# KiCad board Thermister Board - Panel.kicad_pcb (continued)
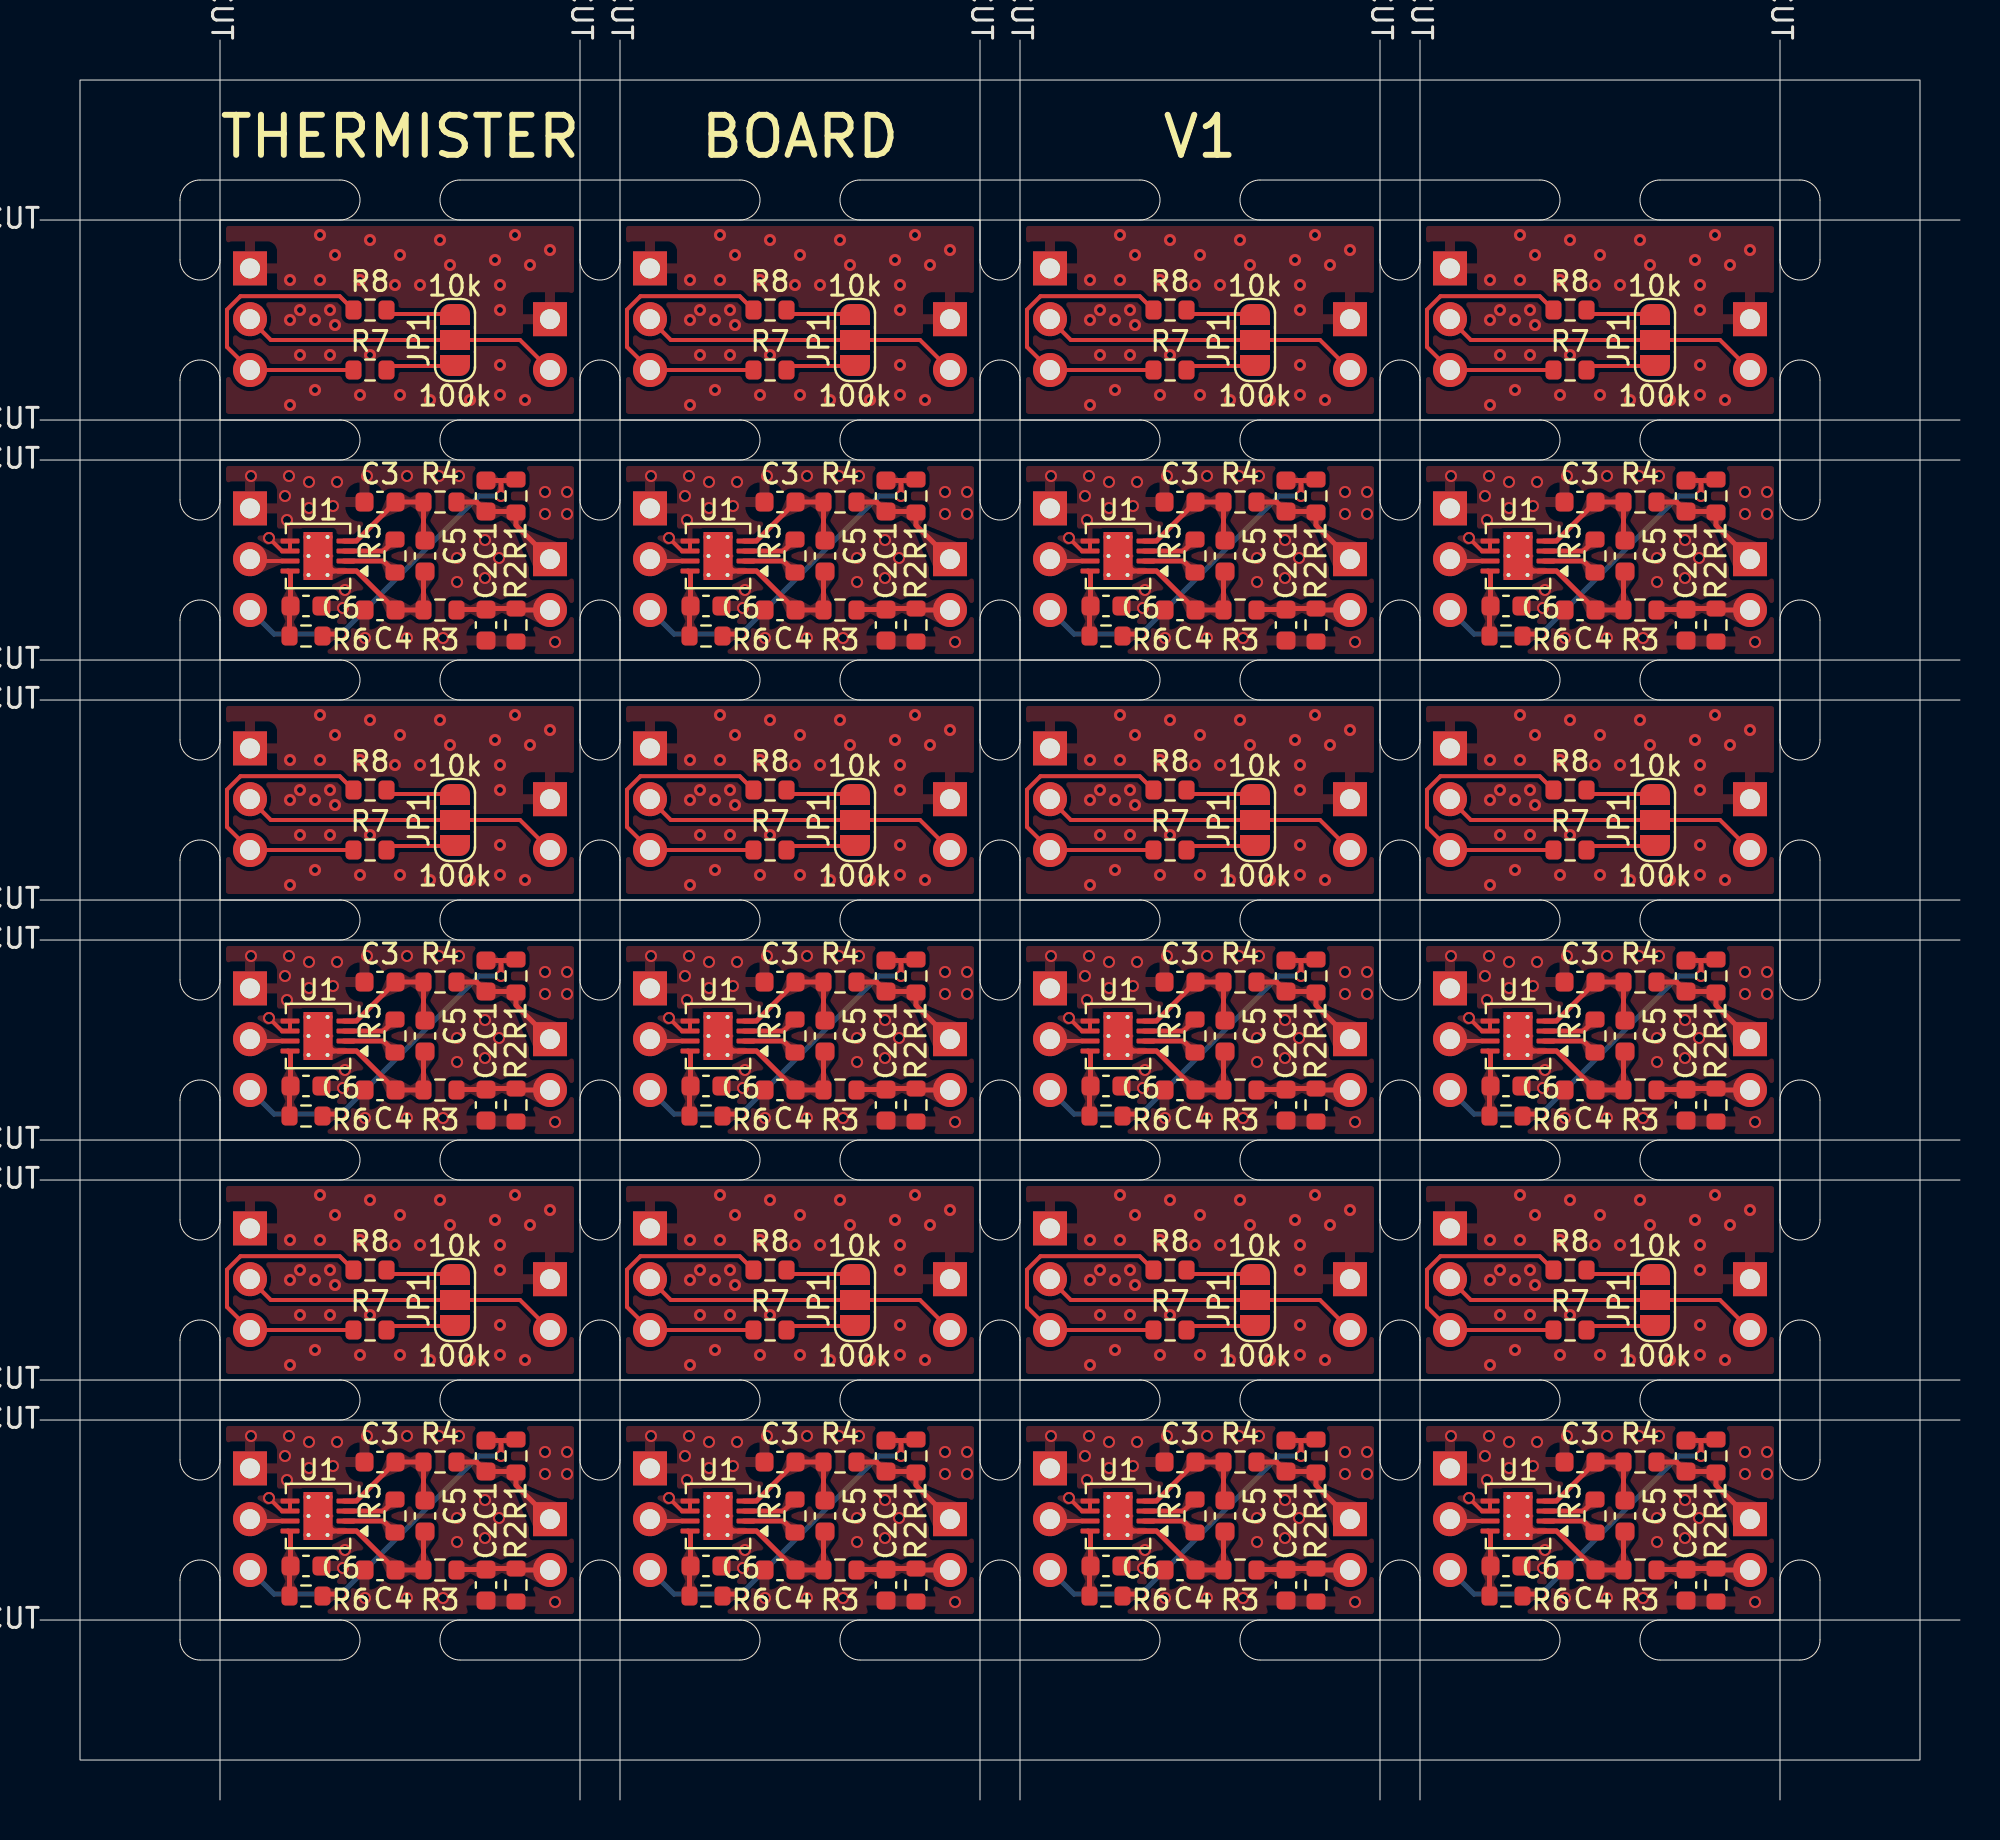
[diagram p0: board, top side]
## Library data of the parts
C1 C1#2-C1#5 C1#7-C1#12 C2 C2#2-C2#9 C2#11 C2#12 C3 C3#2 C3#3 C3#5-C3#12 C4 C4#2-C4#10 C4#12 C5 C5#2-C5#10 C5#12 C6#2-C6#12 = -: Description: Unpolarized capacitor
C1#6 C2#10 C3#4 C4#11 C5#11 C6 = -: Description: Unpolarized capacitor; ki_fp_filters: C_*
J1 J1#2-J1#8 J1#10-J1#12 J4 J4#2-J4#5 J4#7-J4#12 = -: Description: Generic connector, single row, 01x03, script generated (kicad-library-utils/schlib/autogen/connector/)
J1#9 J4#6 = -: Description: Generic connector, single row, 01x03, script generated (kicad-library-utils/schlib/autogen/connector/); ki_fp_filters: Connector*:*_1x??_*
J2 J2#2-J2#5 J2#7-J2#12 J3 J3#2-J3#9 J3#11 J3#12 = -: Description: Generic connector, single row, 01x02, script generated (kicad-library-utils/schlib/autogen/connector/)
J2#6 J3#10 = -: Description: Generic connector, single row, 01x02, script generated (kicad-library-utils/schlib/autogen/connector/); ki_fp_filters: Connector*:*_1x??_*
JP1 JP1#2 JP1#4-JP1#12 = -: Description: Solder Jumper, 3-pole, open
JP1#3 = -: Description: Solder Jumper, 3-pole, open; ki_fp_filters: SolderJumper*Open*
R1 R1#2-R1#8 R1#10-R1#12 R2 R2#2-R2#5 R2#7-R2#12 R3 R3#2 R3#3 R3#5-R3#12 R4 R4#2-R4#6 R4#8-R4#12 R5 R5#2-R5#4 R5#6-R5#12 R6 R6#2 R6#3 R6#5-R6#12 R7 R7#2-R7#6 R7#8-R7#12 R8 R8#3-R8#12 = -: Description: Resistor
R1#9 R2#6 R3#4 R4#7 R5#5 R6#4 R7#7 R8#2 = -: Description: Resistor; ki_fp_filters: R_*

## Footprints (pads in the part's own frame, mm; a bottom-side part is the same pattern mirrored in y, then rotated)
C_0603_1608Metric
  rrect 0.9x0.95 smd: 1(-0.775,0) 2(0.775,0)
PinHeader_1x02_P2.54mm_Vertical
  rect 1.7x1.7 hole 1: 1(0,0)
  round 1.7 hole 1: 2(0,-2.54)
PinHeader_1x03_P2.54mm_Vertical
  rect 1.7x1.7 hole 1: 1(0,0)
  round 1.7 hole 1: 2(0,-2.54) 3(0,-5.08)
R_0603_1608Metric
  rrect 0.8x0.95 smd: 1(-0.825,0) 2(0.825,0)
SolderJumper-3_P1.3mm_Open_RoundedPad1.0x1.5mm_NumberLabels
  custom 1.05x1.5 smd: 1(-1.3,0) 3(1.3,0)
  rect 1x1.5 smd: 2(0,0)
WSON-8-1EP_3x3mm_P0.5mm_EP1.45x2.4mm_ThermalVias
  rrect 1.26x1.04 smd: (0,0.6) (0,-0.6)
  rrect 0.95x0.25 smd: 1(-1.4,0.75) 2(-1.4,0.25) 3(-1.4,-0.25) 4(-1.4,-0.75) 5(1.4,-0.75) 6(1.4,-0.25) 7(1.4,0.25) 8(1.4,0.75)
  round 0.5 hole 0.2: 9(-0.475,0.95) 9(-0.475,0) 9(-0.475,-0.95) 9(0.475,0.95) 9(0.475,0) 9(0.475,-0.95)
  rect 1.45x2.4 smd: 9(0,0)
  rect 1.45x2.4 smd far side: 9(0,0)

## Nets
+3.3V: C1.1 C1#2.1 C1#3.1 C1#4.1 C1#5.1 C1#6.1 C1#7.1 C1#8.1 C1#9.1 C1#10.1 C1#11.1 C1#12.1 J1.3 J1#2.3 J1#3.3 J1#4.3 J1#5.3 J1#6.3 J1#7.3 J1#8.3 J1#9.3 J1#10.3 J1#11.3 J1#12.3 J4.3 J4#2.3 J4#3.3 J4#4.3 J4#5.3 J4#6.3 J4#7.3 J4#8.3 J4#9.3 J4#10.3 J4#11.3 J4#12.3 R1.1 R1#2.1 R1#3.1 R1#4.1 R1#5.1 R1#6.1 R1#7.1 R1#8.1 R1#9.1 R1#10.1 R1#11.1 R1#12.1 R6.1 R6#2.1 R6#3.1 R6#4.1 R6#5.1 R6#6.1 R6#7.1 R6#8.1 R6#9.1 R6#10.1 R6#11.1 R6#12.1 R7.1 R7#2.1 R7#3.1 R7#4.1 R7#5.1 R7#6.1 R7#7.1 R7#8.1 R7#9.1 R7#10.1 R7#11.1 R7#12.1 R8.1 R8#2.1 R8#3.1 R8#4.1 R8#5.1 R8#6.1 R8#7.1 R8#8.1 R8#9.1 R8#10.1 R8#11.1 R8#12.1
GND: C2.2 C2#2.2 C2#3.2 C2#4.2 C2#5.2 C2#6.2 C2#7.2 C2#8.2 C2#9.2 C2#10.2 C2#11.2 C2#12.2 C3.1 C3#2.1 C3#3.1 C3#4.1 C3#5.1 C3#6.1 C3#7.1 C3#8.1 C3#9.1 C3#10.1 C3#11.1 C3#12.1 C4.2 C4#2.2 C4#3.2 C4#4.2 C4#5.2 C4#6.2 C4#7.2 C4#8.2 C4#9.2 C4#10.2 C4#11.2 C4#12.2 C6.2 C6#2.2 C6#3.2 C6#4.2 C6#5.2 C6#6.2 C6#7.2 C6#8.2 C6#9.2 C6#10.2 C6#11.2 C6#12.2 J1.1 J1#2.1 J1#3.1 J1#4.1 J1#5.1 J1#6.1 J1#7.1 J1#8.1 J1#9.1 J1#10.1 J1#11.1 J1#12.1 J3.1 J3#2.1 J3#3.1 J3#4.1 J3#5.1 J3#6.1 J3#7.1 J3#8.1 J3#9.1 J3#10.1 J3#11.1 J3#12.1 J4.1 J4#2.1 J4#3.1 J4#4.1 J4#5.1 J4#6.1 J4#7.1 J4#8.1 J4#9.1 J4#10.1 J4#11.1 J4#12.1 R2.2 R2#2.2 R2#3.2 R2#4.2 R2#5.2 R2#6.2 R2#7.2 R2#8.2 R2#9.2 R2#10.2 R2#11.2 R2#12.2 U1.5 U1.6 U1#2.5 U1#2.6 U1#3.5 U1#3.6 U1#4.5 U1#4.6 U1#5.5 U1#5.6 U1#6.5 U1#6.6 U1#7.5 U1#7.6 U1#8.5 U1#8.6 U1#9.5 U1#9.6 U1#10.5 U1#10.6 U1#11.5 U1#11.6 U1#12.5 U1#12.6
Net-(C4-Pad1): C4.1 C4#2.1 C4#3.1 C4#4.1 C4#5.1 C4#6.1 C4#7.1 C4#8.1 C4#9.1 C4#10.1 C4#11.1 C4#12.1 C5.2 C5#2.2 C5#3.2 C5#4.2 C5#5.2 C5#6.2 C5#7.2 C5#8.2 C5#9.2 C5#10.2 C5#11.2 C5#12.2 R3.1 R3#2.1 R3#3.1 R3#4.1 R3#5.1 R3#6.1 R3#7.1 R3#8.1 R3#9.1 R3#10.1 R3#11.1 R3#12.1 U1.1 U1.9 U1#2.1 U1#2.9 U1#3.1 U1#3.9 U1#4.1 U1#4.9 U1#5.1 U1#5.9 U1#6.1 U1#6.9 U1#7.1 U1#7.9 U1#8.1 U1#8.9 U1#9.1 U1#9.9 U1#10.1 U1#10.9 U1#11.1 U1#11.9 U1#12.1 U1#12.9
Net-(J1-Pin_2): J1.2 J1#2.2 J1#3.2 J1#4.2 J1#5.2 J1#6.2 J1#7.2 J1#8.2 J1#9.2 J1#10.2 J1#11.2 J1#12.2 U1.7 U1#2.7 U1#3.7 U1#4.7 U1#5.7 U1#6.7 U1#7.7 U1#8.7 U1#9.7 U1#10.7 U1#11.7 U1#12.7
Net-(J2-Pin_1): C1.2 C1#2.2 C1#3.2 C1#4.2 C1#5.2 C1#6.2 C1#7.2 C1#8.2 C1#9.2 C1#10.2 C1#11.2 C1#12.2 J2.1 J2#2.1 J2#3.1 J2#4.1 J2#5.1 J2#6.1 J2#7.1 J2#8.1 J2#9.1 J2#10.1 J2#11.1 J2#12.1 R1.2 R1#2.2 R1#3.2 R1#4.2 R1#5.2 R1#6.2 R1#7.2 R1#8.2 R1#9.2 R1#10.2 R1#11.2 R1#12.2 R4.2 R4#2.2 R4#3.2 R4#4.2 R4#5.2 R4#6.2 R4#7.2 R4#8.2 R4#9.2 R4#10.2 R4#11.2 R4#12.2
Net-(J2-Pin_2): C2.1 C2#2.1 C2#3.1 C2#4.1 C2#5.1 C2#6.1 C2#7.1 C2#8.1 C2#9.1 C2#10.1 C2#11.1 C2#12.1 J2.2 J2#2.2 J2#3.2 J2#4.2 J2#5.2 J2#6.2 J2#7.2 J2#8.2 J2#9.2 J2#10.2 J2#11.2 J2#12.2 R2.1 R2#2.1 R2#3.1 R2#4.1 R2#5.1 R2#6.1 R2#7.1 R2#8.1 R2#9.1 R2#10.1 R2#11.1 R2#12.1 R3.2 R3#2.2 R3#3.2 R3#4.2 R3#5.2 R3#6.2 R3#7.2 R3#8.2 R3#9.2 R3#10.2 R3#11.2 R3#12.2
Net-(J3-Pin_2): J3.2 J3#2.2 J3#3.2 J3#4.2 J3#5.2 J3#6.2 J3#7.2 J3#8.2 J3#9.2 J3#10.2 J3#11.2 J3#12.2 J4.2 J4#2.2 J4#3.2 J4#4.2 J4#5.2 J4#6.2 J4#7.2 J4#8.2 J4#9.2 J4#10.2 J4#11.2 J4#12.2 JP1.2 JP1#2.2 JP1#3.2 JP1#4.2 JP1#5.2 JP1#6.2 JP1#7.2 JP1#8.2 JP1#9.2 JP1#10.2 JP1#11.2 JP1#12.2
Net-(JP1-A): JP1.1 JP1#2.1 JP1#3.1 JP1#4.1 JP1#5.1 JP1#6.1 JP1#7.1 JP1#8.1 JP1#9.1 JP1#10.1 JP1#11.1 JP1#12.1 R7.2 R7#2.2 R7#3.2 R7#4.2 R7#5.2 R7#6.2 R7#7.2 R7#8.2 R7#9.2 R7#10.2 R7#11.2 R7#12.2
Net-(JP1-B): JP1.3 JP1#2.3 JP1#3.3 JP1#4.3 JP1#5.3 JP1#6.3 JP1#7.3 JP1#8.3 JP1#9.3 JP1#10.3 JP1#11.3 JP1#12.3 R8.2 R8#2.2 R8#3.2 R8#4.2 R8#5.2 R8#6.2 R8#7.2 R8#8.2 R8#9.2 R8#10.2 R8#11.2 R8#12.2
Net-(R5-Pad1): R5.1 R5#2.1 R5#3.1 R5#4.1 R5#5.1 R5#6.1 R5#7.1 R5#8.1 R5#9.1 R5#10.1 R5#11.1 R5#12.1 U1.2 U1#2.2 U1#3.2 U1#4.2 U1#5.2 U1#6.2 U1#7.2 U1#8.2 U1#9.2 U1#10.2 U1#11.2 U1#12.2
Net-(R5-Pad2): R5.2 R5#2.2 R5#3.2 R5#4.2 R5#5.2 R5#6.2 R5#7.2 R5#8.2 R5#9.2 R5#10.2 R5#11.2 R5#12.2 U1.3 U1#2.3 U1#3.3 U1#4.3 U1#5.3 U1#6.3 U1#7.3 U1#8.3 U1#9.3 U1#10.3 U1#11.3 U1#12.3
Net-(U1-+): C3.2 C3#2.2 C3#3.2 C3#4.2 C3#5.2 C3#6.2 C3#7.2 C3#8.2 C3#9.2 C3#10.2 C3#11.2 C3#12.2 C5.1 C5#2.1 C5#3.1 C5#4.1 C5#5.1 C5#6.1 C5#7.1 C5#8.1 C5#9.1 C5#10.1 C5#11.1 C5#12.1 R4.1 R4#2.1 R4#3.1 R4#4.1 R4#5.1 R4#6.1 R4#7.1 R4#8.1 R4#9.1 R4#10.1 R4#11.1 R4#12.1 U1.4 U1#2.4 U1#3.4 U1#4.4 U1#5.4 U1#6.4 U1#7.4 U1#8.4 U1#9.4 U1#10.4 U1#11.4 U1#12.4
Net-(U1-+Vs): C6.1 C6#2.1 C6#3.1 C6#4.1 C6#5.1 C6#6.1 C6#7.1 C6#8.1 C6#9.1 C6#10.1 C6#11.1 C6#12.1 R6.2 R6#2.2 R6#3.2 R6#4.2 R6#5.2 R6#6.2 R6#7.2 R6#8.2 R6#9.2 R6#10.2 R6#11.2 R6#12.2 U1.8 U1#2.8 U1#3.8 U1#4.8 U1#5.8 U1#6.8 U1#7.8 U1#8.8 U1#9.8 U1#10.8 U1#11.8 U1#12.8

## Via types
v1: diameter 0.6, hole 0.4, Top to Bottom, 360 vias
v2: diameter 0.6, hole 0.3, Top to Bottom, 408 vias

## Routing (per net, layer and track width the routed paths; a pad name or vN(x,y) marks a point on that pad's centre or on a via; arc(x,y) is an arc through that point)
+3.3V: length 416.7
  Top w0.2: R7#2.1 J4#11.3 49.35,72.65 49.35,74.52 50.02,75.19 54.98,75.19 R8#7.1 ; R8#6.1 54.98,27.19 50.02,27.19 49.35,26.52 49.35,24.65 J4#9.3 R7#5.1 ; R7#10.1 J4#10.3 49.35,48.65 49.35,50.52 50.02,51.19 54.98,51.19 R8#8.1 ; R8#3.1 74.98,75.19 70.02,75.19 69.35,74.52 69.35,72.65 J4#7.3 R7.1 ; R8.1 34.98,51.19 30.02,51.19 29.35,50.52 29.35,48.65 J4#12.3 R7#6.1 ; R8#12.1 74.98,27.19 70.02,27.19 69.35,26.52 69.35,24.65 J4#5.3 R7#12.1 ; R7#7.1 J4#6.3 9.35,72.65 9.35,74.52 10.02,75.19 14.98,75.19 R8#2.1 ; R8#10.1 34.98,75.19 30.02,75.19 29.35,74.52 29.35,72.65 J4.3 R7#11.1 ; R8#11.1 14.98,51.19 10.02,51.19 9.35,50.52 9.35,48.65 J4#4.3 R7#3.1 ; R8#5.1 14.98,27.19 10.02,27.19 9.35,26.52 9.35,24.65 J4#2.3 R7#8.1 ; R7#4.1 J4#3.3 29.35,24.65 29.35,26.52 30.02,27.19 34.98,27.19 R8#4.1 ; R8#9.1 74.98,51.19 70.02,51.19 69.35,50.52 69.35,48.65 J4#8.3 R7#9.1
  Top w0.25: 63.05,17.97 63.75,17.97 R1#2.1 ; 63.05,17.97 v1(63.05,17.2) ; 63.05,17.97 C1#7.1 ; v1(35.05,34.3) 34.22,34.3 R6.1 ; v1(15.05,58.3) 14.22,58.3 R6#4.1 ; R1#4.1 43.75,17.97 43.05,17.97 ; R6#5.1 74.22,10.3 v1(75.05,10.3) ; R6#9.1 74.22,58.3 v1(75.05,58.3) ; C1#2.1 83.05,65.97 ; 83.05,65.97 v1(83.05,65.2) ; 83.05,65.97 83.75,65.97 R1.1 ; C1#12.1 23.05,17.97 ; 23.05,17.97 23.75,17.97 R1#12.1 ; 23.05,17.97 v1(23.05,17.2) ; R1#7.1 43.75,41.97 43.05,41.97 ; v1(75.05,34.3) 74.22,34.3 R6#6.1 ; R1#9.1 23.75,65.97 23.05,65.97 ; C1#8.1 23.05,41.97 ; 23.05,41.97 23.75,41.97 R1#10.1 ; 23.05,41.97 v1(23.05,41.2) ; 63.05,41.97 63.75,41.97 R1#11.1 ; 63.05,41.97 v1(63.05,41.2) ; 63.05,41.97 C1#4.1 ; 83.05,41.97 83.75,41.97 R1#5.1 ; 83.05,41.97 v1(83.05,41.2) ; 83.05,41.97 C1#11.1 ; C1#10.1 83.05,17.97 ; 83.05,17.97 v1(83.05,17.2) ; 83.05,17.97 83.75,17.97 R1#3.1 ; C1#3.1 43.05,41.97 ; 43.05,41.97 v1(43.05,41.2) ; R6#12.1 14.22,10.3 v1(15.05,10.3) ; R6#10.1 54.22,10.3 v1(55.05,10.3) ; C1#5.1 43.05,17.97 ; 43.05,17.97 v1(43.05,17.2) ; 43.05,65.97 43.75,65.97 R1#8.1 ; 43.05,65.97 v1(43.05,65.2) ; 43.05,65.97 C1.1 ; 23.05,65.97 v1(23.05,65.2) ; 23.05,65.97 C1#6.1 ; v1(35.05,10.3) 34.22,10.3 R6#8.1 ; 63.05,65.97 63.75,65.97 R1#6.1 ; 63.05,65.97 C1#9.1 ; 63.05,65.97 v1(63.05,65.2) ; v1(55.05,34.3) 54.22,34.3 R6#2.1 ; v1(15.05,34.3) 14.22,34.3 R6#7.1 ; R6#3.1 34.22,58.3 v1(35.05,58.3) ; R6#11.1 54.22,58.3 v1(55.05,58.3)
  Bottom w0.25: v1(23.05,41.2) 21.95,41.2 v1(15.05,34.3) 11.7,34.3 J1#8.3 ; v1(43.05,17.2) 41.95,17.2 v1(35.05,10.3) 31.7,10.3 J1#2.3 ; J1#4.3 31.7,58.3 v1(35.05,58.3) 41.95,65.2 v1(43.05,65.2) ; J1.3 71.7,58.3 v1(75.05,58.3) 81.95,65.2 v1(83.05,65.2) ; v1(63.05,17.2) 61.95,17.2 v1(55.05,10.3) 51.7,10.3 J1#7.3 ; v1(83.05,17.2) 81.95,17.2 v1(75.05,10.3) 71.7,10.3 J1#12.3 ; v1(23.05,17.2) 21.95,17.2 v1(15.05,10.3) 11.7,10.3 J1#5.3 ; v1(63.05,65.2) 61.95,65.2 v1(55.05,58.3) 51.7,58.3 J1#6.3 ; J1#11.3 71.7,34.3 v1(75.05,34.3) 81.95,41.2 v1(83.05,41.2) ; v1(43.05,41.2) 41.95,41.2 v1(35.05,34.3) 31.7,34.3 J1#10.3 ; v1(23.05,65.2) 21.95,65.2 v1(15.05,58.3) 11.7,58.3 J1#9.3 ; v1(63.05,41.2) 61.95,41.2 v1(55.05,34.3) 51.7,34.3 J1#3.3
GND: length 21.8
  Top w0.2: U1#12.5 U1#12.6 52.1,62.45 v1(51.45,63.1) ; v1(31.45,63.1) 32.1,62.45 U1#10.6 U1#10.5 ; v1(51.45,15.1) 52.1,14.45 U1.6 U1.5 ; U1#7.5 U1#7.6 72.1,62.45 v1(71.45,63.1) ; v1(31.45,39.1) 32.1,38.45 U1#2.6 U1#2.5 ; v1(71.45,39.1) 72.1,38.45 U1#9.6 U1#9.5 ; U1#11.5 U1#11.6 12.1,62.45 v1(11.45,63.1) ; v1(11.45,15.1) 12.1,14.45 U1#6.6 U1#6.5 ; v1(31.45,15.1) 32.1,14.45 U1#3.6 U1#3.5 ; v1(51.45,39.1) 52.1,38.45 U1#5.6 U1#5.5 ; v1(11.45,39.1) 12.1,38.45 U1#8.6 U1#8.5 ; v1(71.45,15.1) 72.1,14.45 U1#4.6 U1#4.5
  vias: v1(10.55,66.2) v1(10.55,42.2) v1(10.55,18.2) v1(12.25,65.2) v1(12.25,41.2) v1(12.25,17.2) v1(12.35,64) v1(12.35,40) v1(12.35,16) v1(12.45,66.2) v1(12.45,42.2) v1(12.45,18.2) v1(13.45,65.9) v1(13.45,64.6) v1(13.45,41.9) v1(13.45,40.6) v1(13.45,17.9) v1(13.45,16.6) v1(14.65,64.7) v1(14.65,40.7) v1(14.65,16.7) v1(14.85,65.9) v1(14.85,41.9) v1(14.85,17.9) v1(15.25,60.5) v1(15.15,59.6) v1(15.25,36.5) v1(15.15,35.6) v1(15.25,12.5) v1(15.15,11.6) v1(16.25,58.1) v1(16.25,34.1) v1(16.25,10.1) v1(16.35,66.2) v1(16.35,42.2) v1(16.35,18.2) v1(18.35,66.2) v1(18.35,58.1) v1(18.35,42.2) v1(18.35,34.1) v1(18.35,18.2) v1(18.35,10.1) v1(19.95,66.2) v1(19.95,42.2) v1(19.95,18.2) v1(20.15,58.1) v1(20.15,34.1) v1(20.15,10.1) v1(20.85,62.1) v1(20.85,60.9) v1(20.85,38.1) v1(20.85,36.9) v1(20.85,14.1) v1(20.85,12.9) v1(20.95,66.2) v1(20.95,42.2) v1(20.95,18.2) v1(22.25,63) v1(22.25,61.1) v1(22.25,39) v1(22.25,37.1) v1(22.25,15) v1(22.25,13.1) v1(22.95,62.1) v1(22.95,38.1) v1(22.95,14.1) v1(25.25,65.4) v1(25.25,64.3) v1(25.25,41.4) v1(25.25,40.3) v1(25.25,17.4) v1(25.25,16.3) v1(25.75,57.9) v1(25.75,33.9) v1(25.75,9.9) v1(26.35,65.4) v1(26.35,64.3) v1(26.35,41.4) v1(26.35,40.3) v1(26.35,17.4) v1(26.35,16.3) v1(30.55,66.2) v1(30.55,42.2) v1(30.55,18.2) v1(32.25,65.2) v1(32.25,41.2) v1(32.25,17.2) v1(32.35,64) v1(32.35,40) v1(32.35,16) v1(32.45,66.2) v1(32.45,42.2) v1(32.45,18.2) v1(33.45,65.9) v1(33.45,64.6) v1(33.45,41.9) v1(33.45,40.6) v1(33.45,17.9) v1(33.45,16.6) v1(34.65,64.7) v1(34.65,40.7) v1(34.65,16.7) v1(34.85,65.9) v1(34.85,41.9) v1(34.85,17.9) v1(35.25,60.5) v1(35.15,59.6) v1(35.25,36.5) v1(35.15,35.6) v1(35.25,12.5) v1(35.15,11.6) v1(36.25,58.1) v1(36.25,34.1) v1(36.25,10.1) v1(36.35,66.2) v1(36.35,42.2) v1(36.35,18.2) v1(38.35,66.2) v1(38.35,58.1) v1(38.35,42.2) v1(38.35,34.1) v1(38.35,18.2) v1(38.35,10.1) v1(39.95,66.2) v1(39.95,42.2) v1(39.95,18.2) v1(40.15,58.1) v1(40.15,34.1) v1(40.15,10.1) v1(40.85,62.1) v1(40.85,60.9) v1(40.85,38.1) v1(40.85,36.9) v1(40.85,14.1) v1(40.85,12.9) v1(40.95,66.2) v1(40.95,42.2) v1(40.95,18.2) v1(42.25,63) v1(42.25,61.1) v1(42.25,39) v1(42.25,37.1) v1(42.25,15) v1(42.25,13.1) v1(42.95,62.1) v1(42.95,38.1) v1(42.95,14.1) v1(45.25,65.4) v1(45.25,64.3) v1(45.25,41.4) v1(45.25,40.3) v1(45.25,17.4) v1(45.25,16.3) v1(45.75,57.9) v1(45.75,33.9) v1(45.75,9.9) v1(46.35,65.4) v1(46.35,64.3) v1(46.35,41.4) v1(46.35,40.3) v1(46.35,17.4) v1(46.35,16.3) v1(50.55,66.2) v1(50.55,42.2) v1(50.55,18.2) v1(52.25,65.2) v1(52.25,41.2) v1(52.25,17.2) v1(52.35,64) v1(52.35,40) v1(52.35,16) v1(52.45,66.2) v1(52.45,42.2) v1(52.45,18.2) v1(53.45,65.9) v1(53.45,64.6) v1(53.45,41.9) v1(53.45,40.6) v1(53.45,17.9) v1(53.45,16.6) v1(54.65,64.7) v1(54.65,40.7) v1(54.65,16.7) v1(54.85,65.9) v1(54.85,41.9) v1(54.85,17.9) v1(55.25,60.5) v1(55.15,59.6) v1(55.25,36.5) v1(55.15,35.6) v1(55.25,12.5) v1(55.15,11.6) v1(56.25,58.1) v1(56.25,34.1) v1(56.25,10.1) v1(56.35,66.2) v1(56.35,42.2) v1(56.35,18.2) v1(58.35,66.2) v1(58.35,58.1) v1(58.35,42.2) v1(58.35,34.1) v1(58.35,18.2) v1(58.35,10.1) v1(59.95,66.2) v1(59.95,42.2) v1(59.95,18.2) v1(60.15,58.1) v1(60.15,34.1) v1(60.15,10.1) v1(60.85,62.1) v1(60.85,60.9) v1(60.85,38.1) v1(60.85,36.9) v1(60.85,14.1) v1(60.85,12.9) v1(60.95,66.2) v1(60.95,42.2) v1(60.95,18.2) v1(62.25,63) v1(62.25,61.1) v1(62.25,39) v1(62.25,37.1) v1(62.25,15) v1(62.25,13.1) v1(62.95,62.1) v1(62.95,38.1) v1(62.95,14.1) v1(65.25,65.4) v1(65.25,64.3) v1(65.25,41.4) v1(65.25,40.3) v1(65.25,17.4) v1(65.25,16.3) v1(65.75,57.9) v1(65.75,33.9) v1(65.75,9.9) v1(66.35,65.4) v1(66.35,64.3) v1(66.35,41.4) v1(66.35,40.3) v1(66.35,17.4) v1(66.35,16.3) v1(70.55,66.2) v1(70.55,42.2) v1(70.55,18.2) v1(72.25,65.2) v1(72.25,41.2) v1(72.25,17.2) v1(72.35,64) v1(72.35,40) v1(72.35,16) v1(72.45,66.2) v1(72.45,42.2) v1(72.45,18.2) v1(73.45,65.9) v1(73.45,64.6) v1(73.45,41.9) v1(73.45,40.6) v1(73.45,17.9) v1(73.45,16.6) v1(74.65,64.7) v1(74.65,40.7) v1(74.65,16.7) v1(74.85,65.9) v1(74.85,41.9) v1(74.85,17.9) v1(75.25,60.5) v1(75.15,59.6) v1(75.25,36.5) v1(75.15,35.6) v1(75.25,12.5) v1(75.15,11.6) v1(76.25,58.1) v1(76.25,34.1) v1(76.25,10.1) v1(76.35,66.2) v1(76.35,42.2) v1(76.35,18.2) v1(78.35,66.2) v1(78.35,58.1) v1(78.35,42.2) v1(78.35,34.1) v1(78.35,18.2) v1(78.35,10.1) v1(79.95,66.2) v1(79.95,42.2) v1(79.95,18.2) v1(80.15,58.1) v1(80.15,34.1) v1(80.15,10.1) v1(80.85,62.1) v1(80.85,60.9) v1(80.85,38.1) v1(80.85,36.9) v1(80.85,14.1) v1(80.85,12.9) v1(80.95,66.2) v1(80.95,42.2) v1(80.95,18.2) v1(82.25,63) v1(82.25,61.1) v1(82.25,39) v1(82.25,37.1) v1(82.25,15) v1(82.25,13.1) v1(82.95,62.1) v1(82.95,38.1) v1(82.95,14.1) v1(85.25,65.4) v1(85.25,64.3) v1(85.25,41.4) v1(85.25,40.3) v1(85.25,17.4) v1(85.25,16.3) v1(85.75,57.9) v1(85.75,33.9) v1(85.75,9.9) v1(86.35,65.4) v1(86.35,64.3) v1(86.35,41.4) v1(86.35,40.3) v1(86.35,17.4) v1(86.35,16.3) v2(12.5,76) v2(12.5,74) v2(12.5,69.75) v2(12.5,52) v2(12.5,50) v2(12.5,45.75) v2(12.5,28) v2(12.5,26) v2(12.5,21.75) v2(13,74.5) v2(13,72.25) v2(13,50.5) v2(13,48.25) v2(13,26.5) v2(13,24.25) v2(13.75,74) v2(13.75,70.5) v2(13.75,50) v2(13.75,46.5) v2(13.75,26) v2(13.75,22.5) v2(14,78.25) v2(14,76) v2(14,54.25) v2(14,52) v2(14,30.25) v2(14,28) v2(14.5,74.5) v2(14.5,72.25) v2(14.5,50.5) v2(14.5,48.25) v2(14.5,26.5) v2(14.5,24.25) v2(14.75,77.25) v2(14.75,73.75) v2(14.75,53.25) v2(14.75,49.75) v2(14.75,29.25) v2(14.75,25.75) v2(16,76) v2(16,70.25) v2(16,52) v2(16,46.25) v2(16,28) v2(16,22.25) v2(16.5,78) v2(16.5,72.25) v2(16.5,54) v2(16.5,48.25) v2(16.5,30) v2(16.5,24.25) v2(17.75,75.75) v2(17.75,51.75) v2(17.75,27.75) v2(18,77.25) v2(18,70.25) v2(18,53.25) v2(18,46.25) v2(18,29.25) v2(18,22.25) v2(19,75.75) v2(19,51.75) v2(19,27.75) v2(19.5,70) v2(19.5,46) v2(19.5,22) v2(20,78) v2(20,54) v2(20,30) v2(20.5,76.75) v2(20.5,52.75) v2(20.5,28.75) v2(21.5,70) v2(21.5,46) v2(21.5,22) v2(22.75,77) v2(22.75,53) v2(22.75,29) v2(23,75.75) v2(23,74.5) v2(23,71.75) v2(23,70.25) v2(23,51.75) v2(23,50.5) v2(23,47.75) v2(23,46.25) v2(23,27.75) v2(23,26.5) v2(23,23.75) v2(23,22.25) v2(23.75,78.25) v2(23.75,54.25) v2(23.75,30.25) v2(24.25,70) v2(24.25,46) v2(24.25,22) v2(24.5,76.75) v2(24.5,52.75) v2(24.5,28.75) v2(25.5,77.5) v2(25.5,53.5) v2(25.5,29.5) v2(32.5,76) v2(32.5,74) v2(32.5,69.75) v2(32.5,52) v2(32.5,50) v2(32.5,45.75) v2(32.5,28) v2(32.5,26) v2(32.5,21.75) v2(33,74.5) v2(33,72.25) v2(33,50.5) v2(33,48.25) v2(33,26.5) v2(33,24.25) v2(33.75,74) v2(33.75,70.5) v2(33.75,50) v2(33.75,46.5) v2(33.75,26) v2(33.75,22.5) v2(34,78.25) v2(34,76) v2(34,54.25) v2(34,52) v2(34,30.25) v2(34,28) v2(34.5,74.5) v2(34.5,72.25) v2(34.5,50.5) v2(34.5,48.25) v2(34.5,26.5) v2(34.5,24.25) v2(34.75,77.25) v2(34.75,73.75) v2(34.75,53.25) v2(34.75,49.75) v2(34.75,29.25) v2(34.75,25.75) v2(36,76) v2(36,70.25) v2(36,52) v2(36,46.25) v2(36,28) v2(36,22.25) v2(36.5,78) v2(36.5,72.25) v2(36.5,54) v2(36.5,48.25) v2(36.5,30) v2(36.5,24.25) v2(37.75,75.75) v2(37.75,51.75) v2(37.75,27.75) v2(38,77.25) v2(38,70.25) v2(38,53.25) v2(38,46.25) v2(38,29.25) v2(38,22.25) v2(39,75.75) v2(39,51.75) v2(39,27.75) v2(39.5,70) v2(39.5,46) v2(39.5,22) v2(40,78) v2(40,54) v2(40,30) v2(40.5,76.75) v2(40.5,52.75) v2(40.5,28.75) v2(41.5,70) v2(41.5,46) v2(41.5,22) v2(42.75,77) v2(42.75,53) v2(42.75,29) v2(43,75.75) v2(43,74.5) v2(43,71.75) v2(43,70.25) v2(43,51.75) v2(43,50.5) v2(43,47.75) v2(43,46.25) v2(43,27.75) v2(43,26.5) v2(43,23.75) v2(43,22.25) v2(43.75,78.25) v2(43.75,54.25) v2(43.75,30.25) v2(44.25,70) v2(44.25,46) v2(44.25,22) v2(44.5,76.75) v2(44.5,52.75) v2(44.5,28.75) v2(45.5,77.5) v2(45.5,53.5) v2(45.5,29.5) v2(52.5,76) v2(52.5,74) v2(52.5,69.75) v2(52.5,52) v2(52.5,50) v2(52.5,45.75) v2(52.5,28) v2(52.5,26) v2(52.5,21.75) v2(53,74.5) v2(53,72.25) v2(53,50.5) v2(53,48.25) v2(53,26.5) v2(53,24.25) v2(53.75,74) v2(53.75,70.5) v2(53.75,50) v2(53.75,46.5) v2(53.75,26) v2(53.75,22.5) v2(54,78.25) v2(54,76) v2(54,54.25) v2(54,52) v2(54,30.25) v2(54,28) v2(54.5,74.5) v2(54.5,72.25) v2(54.5,50.5) v2(54.5,48.25) v2(54.5,26.5) v2(54.5,24.25) v2(54.75,77.25) v2(54.75,73.75) v2(54.75,53.25) v2(54.75,49.75) v2(54.75,29.25) v2(54.75,25.75) v2(56,76) v2(56,70.25) v2(56,52) v2(56,46.25) v2(56,28) v2(56,22.25) v2(56.5,78) v2(56.5,72.25) v2(56.5,54) v2(56.5,48.25) v2(56.5,30) v2(56.5,24.25) v2(57.75,75.75) v2(57.75,51.75) v2(57.75,27.75) v2(58,77.25) v2(58,70.25) v2(58,53.25) v2(58,46.25) v2(58,29.25) v2(58,22.25) v2(59,75.75) v2(59,51.75) v2(59,27.75) v2(59.5,70) v2(59.5,46) v2(59.5,22) v2(60,78) v2(60,54) v2(60,30) v2(60.5,76.75) v2(60.5,52.75) v2(60.5,28.75) v2(61.5,70) v2(61.5,46) v2(61.5,22) v2(62.75,77) v2(62.75,53) v2(62.75,29) v2(63,75.75) v2(63,74.5) v2(63,71.75) v2(63,70.25) v2(63,51.75) v2(63,50.5) v2(63,47.75) v2(63,46.25) v2(63,27.75) v2(63,26.5) v2(63,23.75) v2(63,22.25) v2(63.75,78.25) v2(63.75,54.25) v2(63.75,30.25) v2(64.25,70) v2(64.25,46) v2(64.25,22) v2(64.5,76.75) v2(64.5,52.75) v2(64.5,28.75) v2(65.5,77.5) v2(65.5,53.5) v2(65.5,29.5) v2(72.5,76) v2(72.5,74) v2(72.5,69.75) v2(72.5,52) v2(72.5,50) v2(72.5,45.75) v2(72.5,28) v2(72.5,26) v2(72.5,21.75) v2(73,74.5) v2(73,72.25) v2(73,50.5) v2(73,48.25) v2(73,26.5) v2(73,24.25) v2(73.75,74) v2(73.75,70.5) v2(73.75,50) v2(73.75,46.5) v2(73.75,26) v2(73.75,22.5) v2(74,78.25) v2(74,76) v2(74,54.25) v2(74,52) v2(74,30.25) v2(74,28) v2(74.5,74.5) v2(74.5,72.25) v2(74.5,50.5) v2(74.5,48.25) v2(74.5,26.5) v2(74.5,24.25) v2(74.75,77.25) v2(74.75,73.75) v2(74.75,53.25) v2(74.75,49.75) v2(74.75,29.25) v2(74.75,25.75) v2(76,76) v2(76,70.25) v2(76,52) v2(76,46.25) v2(76,28) v2(76,22.25) v2(76.5,78) v2(76.5,72.25) v2(76.5,54) v2(76.5,48.25) v2(76.5,30) v2(76.5,24.25) v2(77.75,75.75) v2(77.75,51.75) v2(77.75,27.75) v2(78,77.25) v2(78,70.25) v2(78,53.25) v2(78,46.25) v2(78,29.25) v2(78,22.25) v2(79,75.75) v2(79,51.75) v2(79,27.75) v2(79.5,70) v2(79.5,46) v2(79.5,22) v2(80,78) v2(80,54) v2(80,30) v2(80.5,76.75) v2(80.5,52.75) v2(80.5,28.75) v2(81.5,70) v2(81.5,46) v2(81.5,22) v2(82.75,77) v2(82.75,53) v2(82.75,29) v2(83,75.75) v2(83,74.5) v2(83,71.75) v2(83,70.25) v2(83,51.75) v2(83,50.5) v2(83,47.75) v2(83,46.25) v2(83,27.75) v2(83,26.5) v2(83,23.75) v2(83,22.25) v2(83.75,78.25) v2(83.75,54.25) v2(83.75,30.25) v2(84.25,70) v2(84.25,46) v2(84.25,22) v2(84.5,76.75) v2(84.5,52.75) v2(84.5,28.75) v2(85.5,77.5) v2(85.5,53.5) v2(85.5,29.5)
Net-(C4-Pad1): length 101.4
  Top w0.25: 59.25,13.43 59.18,13.35 R3#2.1 C4#5.1 55.82,13.45 55.2,13.45 ; U1#8.1 14.65,37.45 U1#8.9 ; U1#2.9 34.65,37.45 U1#2.1 ; U1#12.1 54.65,61.45 U1#12.9 ; U1#11.9 14.65,61.45 U1#11.1 ; U1.1 54.65,13.45 U1.9 ; C5#3.2 19.17,37.35 R3#10.1 C4#6.1 15.83,37.45 15.2,37.45 ; 19.25,13.43 19.17,13.35 R3#12.1 C4#12.1 15.83,13.45 15.2,13.45 ; C5#8.2 79.18,61.35 R3#3.1 C4.1 75.82,61.45 75.2,61.45 ; 75.2,37.45 75.82,37.45 C4#10.1 R3#5.1 79.18,37.35 C5#12.2 ; 15.2,61.45 15.83,61.45 C4#11.1 R3#4.1 19.17,61.35 C5#11.2 ; C5#9.2 39.17,37.35 R3#6.1 C4#9.1 35.83,37.45 35.2,37.45 ; 35.2,61.45 35.83,61.45 C4#3.1 R3.1 39.17,61.35 C5.2 ; U1#9.1 74.65,37.45 U1#9.9 ; U1#3.1 34.65,13.45 U1#3.9 ; 39.25,13.43 39.17,13.35 R3#9.1 C4#4.1 35.83,13.45 35.2,13.45 ; U1#10.1 34.65,61.45 U1#10.9 ; U1#4.9 74.65,13.45 U1#4.1 ; C5#7.2 59.18,37.35 R3#11.1 C4#8.1 55.82,37.45 55.2,37.45 ; U1#5.1 54.65,37.45 U1#5.9 ; C5#5.2 59.18,61.35 R3#7.1 C4#2.1 55.82,61.45 55.2,61.45 ; 79.25,13.43 79.18,13.35 R3#8.1 C4#7.1 75.82,13.45 75.2,13.45 ; U1#6.1 14.65,13.45 U1#6.9 ; U1#7.1 74.65,61.45 U1#7.9
Net-(J1-Pin_2): length 24.4
  Top w0.2: J1#12.2 70.59,13.95 U1#4.7 ; U1#12.7 50.59,61.95 J1#6.2 ; U1#5.7 50.59,37.95 J1#3.2 ; J1#9.2 10.59,61.95 U1#11.7 ; U1#8.7 10.59,37.95 J1#8.2 ; J1#11.2 70.59,37.95 U1#9.7 ; J1#4.2 30.59,61.95 U1#10.7 ; J1#7.2 50.59,13.95 U1.7 ; J1#2.2 30.59,13.95 U1#3.7 ; J1.2 70.59,61.95 U1#7.7 ; J1#5.2 10.59,13.95 U1#6.7 ; J1#10.2 30.59,37.95 U1#2.7
Net-(J2-Pin_1): length 74.8
  Top w0.25: J2#12.1 43.8,15.74 R1#4.2 43.75,16.42 C1#5.2 41.83,16.9 R4#4.2 ; R4#11.2 21.83,16.9 C1#12.2 23.75,16.42 R1#12.2 23.8,15.74 J2#10.1 ; J2#9.1 83.8,15.74 R1#3.2 83.75,16.42 C1#10.2 81.82,16.9 R4#3.2 ; J2.1 63.8,15.74 R1#2.2 63.75,16.42 C1#7.2 61.82,16.9 R4#6.2 ; R4.2 81.82,64.9 C1#2.2 83.75,64.42 R1.2 83.8,63.74 J2#5.1 ; J2#11.1 43.8,63.74 R1#8.2 43.75,64.42 C1.2 41.83,64.9 R4#12.2 ; R4#9.2 41.83,40.9 C1#3.2 43.75,40.42 R1#7.2 43.8,39.74 J2#8.1 ; R4#5.2 61.82,40.9 C1#4.2 63.75,40.42 R1#11.2 63.8,39.74 J2#4.1 ; J2#2.1 83.8,39.74 R1#5.2 83.75,40.42 C1#11.2 81.82,40.9 R4#10.2 ; J2#6.1 23.8,63.74 R1#9.2 23.75,64.42 C1#6.2 21.83,64.9 R4#7.2 ; J2#7.1 63.8,63.74 R1#6.2 63.75,64.42 C1#9.2 61.82,64.9 R4#8.2 ; R4#2.2 21.83,40.9 C1#8.2 23.75,40.42 R1#10.2 23.8,39.74 J2#3.1
Net-(J2-Pin_2): length 56.8
  Top w0.25: J2#4.2 63.88,35.5 R2#8.1 62.35,35.58 C2#5.1 60.85,35.53 R3#11.2 ; J2#11.2 43.88,59.5 R2#2.1 42.35,59.58 C2#8.1 40.85,59.53 R3.2 ; J2#2.2 83.88,35.5 R2#12.1 82.35,35.58 C2#6.1 80.85,35.53 R3#5.2 ; R3#6.2 40.85,35.53 C2#9.1 42.35,35.58 R2#10.1 43.88,35.5 J2#8.2 ; J2#6.2 23.88,59.5 R2#6.1 22.35,59.58 C2#10.1 20.85,59.53 R3#4.2 ; R3#10.2 20.85,35.53 C2.1 22.35,35.58 R2#5.1 23.88,35.5 J2#3.2 ; J2#10.2 23.88,11.5 R2#7.1 22.35,11.57 C2#12.1 20.85,11.53 R3#12.2 ; R3#7.2 60.85,59.53 C2#11.1 62.35,59.58 R2#3.1 63.88,59.5 J2#7.2 ; R3#8.2 80.85,11.53 C2#7.1 82.35,11.57 R2.1 83.88,11.5 J2#9.2 ; R3#3.2 80.85,59.53 C2#4.1 82.35,59.58 R2#4.1 83.88,59.5 J2#5.2 ; J2.2 63.88,11.5 R2#9.1 62.35,11.57 C2#2.1 60.85,11.53 R3#2.2 ; J2#12.2 43.88,11.5 R2#11.1 42.35,11.57 C2#3.1 40.85,11.53 R3#9.2
Net-(J3-Pin_2): length 192.6
  Top w0.2: J4#7.2 71.54,73 JP1#11.2 84,73 J3#9.2 ; J4#11.2 51.54,73 JP1#8.2 64,73 J3#7.2 ; J3#5.2 24,25 JP1#2.2 11.54,25 J4#2.2 ; J4#6.2 11.54,73 JP1#3.2 24,73 J3#10.2 ; J4#3.2 31.54,25 JP1#9.2 44,25 J3.2 ; J3#11.2 44,73 JP1#6.2 31.54,73 J4.2 ; J3#8.2 44,49 JP1.2 31.54,49 J4#12.2 ; J3#2.2 84,49 JP1#12.2 71.54,49 J4#8.2 ; J4#5.2 71.54,25 JP1#7.2 84,25 J3#12.2 ; J3#3.2 64,25 JP1#10.2 51.54,25 J4#9.2 ; J4#4.2 11.54,49 JP1#5.2 24,49 J3#4.2 ; J3#6.2 64,49 JP1#4.2 51.54,49 J4#10.2
Net-(JP1-A): length 42.1
  Top w0.2: R7#3.2 17.53,47.7 JP1#5.1 ; R7#10.2 57.53,47.7 JP1#4.1 ; JP1.1 37.53,47.7 R7#6.2 ; R7.2 77.53,71.7 JP1#11.1 ; R7#11.2 37.53,71.7 JP1#6.1 ; JP1#7.1 77.53,23.7 R7#12.2 ; R7#9.2 77.53,47.7 JP1#12.1 ; JP1#3.1 17.53,71.7 R7#7.2 ; R7#4.2 37.53,23.7 JP1#9.1 ; JP1#8.1 57.53,71.7 R7#2.2 ; R7#5.2 57.53,23.7 JP1#10.1 ; R7#8.2 17.53,23.7 JP1#2.1
Net-(JP1-B): length 42.1
  Top w0.2: JP1.3 37.53,50.3 R8.2 ; JP1#12.3 77.53,50.3 R8#9.2 ; JP1#3.3 17.53,74.3 R8#2.2 ; R8#4.2 37.53,26.3 JP1#9.3 ; R8#6.2 57.53,26.3 JP1#10.3 ; R8#12.2 77.53,26.3 JP1#7.3 ; JP1#5.3 17.53,50.3 R8#11.2 ; JP1#8.3 57.53,74.3 R8#7.2 ; JP1#4.3 57.53,50.3 R8#8.2 ; JP1#2.3 17.53,26.3 R8#5.2 ; R8#10.2 37.53,74.3 JP1#6.3 ; R8#3.2 77.53,74.3 JP1#11.3
Net-(R5-Pad1): length 33.5
  Top w0.25: 35.2,37.95 37.17,37.95 R5#6.1 ; R5#12.1 37.17,13.95 35.2,13.95 ; R5#7.1 37.17,61.95 35.2,61.95 ; 75.2,13.95 77.18,13.95 R5#9.1 ; R5#3.1 57.18,37.95 55.2,37.95 ; 75.2,61.95 77.18,61.95 R5#2.1 ; 75.2,37.95 77.18,37.95 R5.1 ; 15.2,61.95 17.17,61.95 R5#5.1 ; 55.2,13.95 57.18,13.95 R5#11.1 ; R5#4.1 17.17,37.95 15.2,37.95 ; R5#8.1 57.18,61.95 55.2,61.95 ; R5#10.1 17.17,13.95 15.2,13.95
Net-(R5-Pad2): length 33.5
  Top w0.25: 75.2,14.45 77.18,14.45 R5#9.2 ; 55.2,62.45 57.18,62.45 R5#8.2 ; 15.2,62.45 17.17,62.45 R5#5.2 ; R5#11.2 57.18,14.45 55.2,14.45 ; R5.2 77.18,38.45 75.2,38.45 ; 55.2,38.45 57.18,38.45 R5#3.2 ; R5#2.2 77.18,62.45 75.2,62.45 ; 35.2,14.45 37.17,14.45 R5#12.2 ; R5#10.2 17.17,14.45 15.2,14.45 ; R5#7.2 37.17,62.45 35.2,62.45 ; R5#4.2 17.17,38.45 15.2,38.45 ; R5#6.2 37.17,38.45 35.2,38.45
Net-(U1-+): length 80.9
  Top w0.25: 35.2,38.95 35.83,38.95 C3#12.2 R4#9.1 39.17,39.05 C5#9.1 ; C5#7.1 59.18,39.05 R4#5.1 C3#9.2 55.82,38.95 55.2,38.95 ; C5#2.1 19.17,15.05 R4#11.1 C3.2 15.83,14.95 15.2,14.95 ; C5#6.1 79.18,15.05 R4#3.1 C3#8.2 75.82,14.95 75.2,14.95 ; C5#11.1 19.17,63.05 R4#7.1 C3#4.2 15.83,62.95 15.2,62.95 ; C5.1 39.17,63.05 R4#12.1 C3#2.2 35.83,62.95 35.2,62.95 ; 75.2,38.95 75.82,38.95 C3#10.2 R4#10.1 79.18,39.05 C5#12.1 ; 55.2,62.95 55.82,62.95 C3#3.2 R4#8.1 59.18,63.05 C5#5.1 ; C5#8.1 79.18,63.05 R4.1 C3#11.2 75.82,62.95 75.2,62.95 ; C5#4.1 59.18,15.05 R4#6.1 C3#5.2 55.82,14.95 55.2,14.95 ; 35.2,14.95 35.83,14.95 C3#6.2 R4#4.1 39.17,15.05 C5#10.1 ; C5#3.1 19.17,39.05 R4#2.1 C3#7.2 15.83,38.95 15.2,38.95
Net-(U1-+Vs): length 39.9
  Top w0.25: 72.4,61.45 72.53,61.33 C6#4.1 72.47,59.65 R6#9.2 ; 12.4,61.45 12.53,61.33 C6.1 12.47,59.65 R6#4.2 ; 32.4,61.45 32.53,61.33 C6#12.1 32.47,59.65 R6#3.2 ; 32.4,13.45 32.53,13.32 C6#6.1 32.47,11.65 R6#8.2 ; 52.4,37.45 52.53,37.33 C6#7.1 52.47,35.65 R6#2.2 ; 72.4,37.45 72.53,37.33 C6#11.1 72.47,35.65 R6#6.2 ; R6#12.2 12.47,11.65 C6#8.1 12.53,13.32 12.4,13.45 ; 32.4,37.45 32.53,37.33 C6#3.1 32.47,35.65 R6.2 ; 52.4,13.45 52.53,13.32 C6#5.1 52.47,11.65 R6#10.2 ; R6#7.2 12.47,35.65 C6#10.1 12.53,37.33 12.4,37.45 ; 72.4,13.45 72.53,13.32 C6#9.1 72.47,11.65 R6#5.2 ; 52.4,61.45 52.53,61.33 C6#2.1 52.47,59.65 R6#11.2

## Copper pours and planes (outline as drawn; the poured copper is in the pictures)
GND on Top, Bottom: 9,67 27,67 27,57 9,57
GND on Top, Bottom: 29,31 47,31 47,21 29,21
GND on Top, Bottom: 49,55 67,55 67,45 49,45
GND on Top, Bottom: 69,79 87,79 87,69 69,69
GND on Top, Bottom: 29,43 47,43 47,33 29,33
GND on Top, Bottom: 9,19 27,19 27,9 9,9
GND on Top, Bottom: 29,67 47,67 47,57 29,57
GND on Top, Bottom: 69,67 87,67 87,57 69,57
GND on Top, Bottom: 9,43 27,43 27,33 9,33
GND on Top, Bottom: 49,31 67,31 67,21 49,21
GND on Top, Bottom: 29,79 47,79 47,69 29,69
GND on Top, Bottom: 9,31 27,31 27,21 9,21
GND on Top, Bottom: 49,19 67,19 67,9 49,9
GND on Top, Bottom: 49,79 67,79 67,69 49,69
GND on Top, Bottom: 49,67 67,67 67,57 49,57
GND on Top, Bottom: 69,55 87,55 87,45 69,45
GND on Top, Bottom: 29,19 47,19 47,9 29,9
GND on Top, Bottom: 69,43 87,43 87,33 69,33
GND on Top, Bottom: 9,79 27,79 27,69 9,69
GND on Top, Bottom: 9,55 27,55 27,45 9,45
GND on Top, Bottom: 69,19 87,19 87,9 69,9
GND on Top, Bottom: 49,43 67,43 67,33 49,33
GND on Top, Bottom: 69,31 87,31 87,21 69,21
GND on Top, Bottom: 29,55 47,55 47,45 29,45

Small or netless copper shapes (teardrops, artwork), in the pictures only: 420 on Top, 48 on Bottom

## Text on the board
B.Silkscreen: 10/100k NTC | 100 Ohm PTC
Edge.Cuts: V-CUT
F.Silkscreen: THERMISTER | BOARD | V1
